# Allegro board PandaX_III_V3.brd (continued)
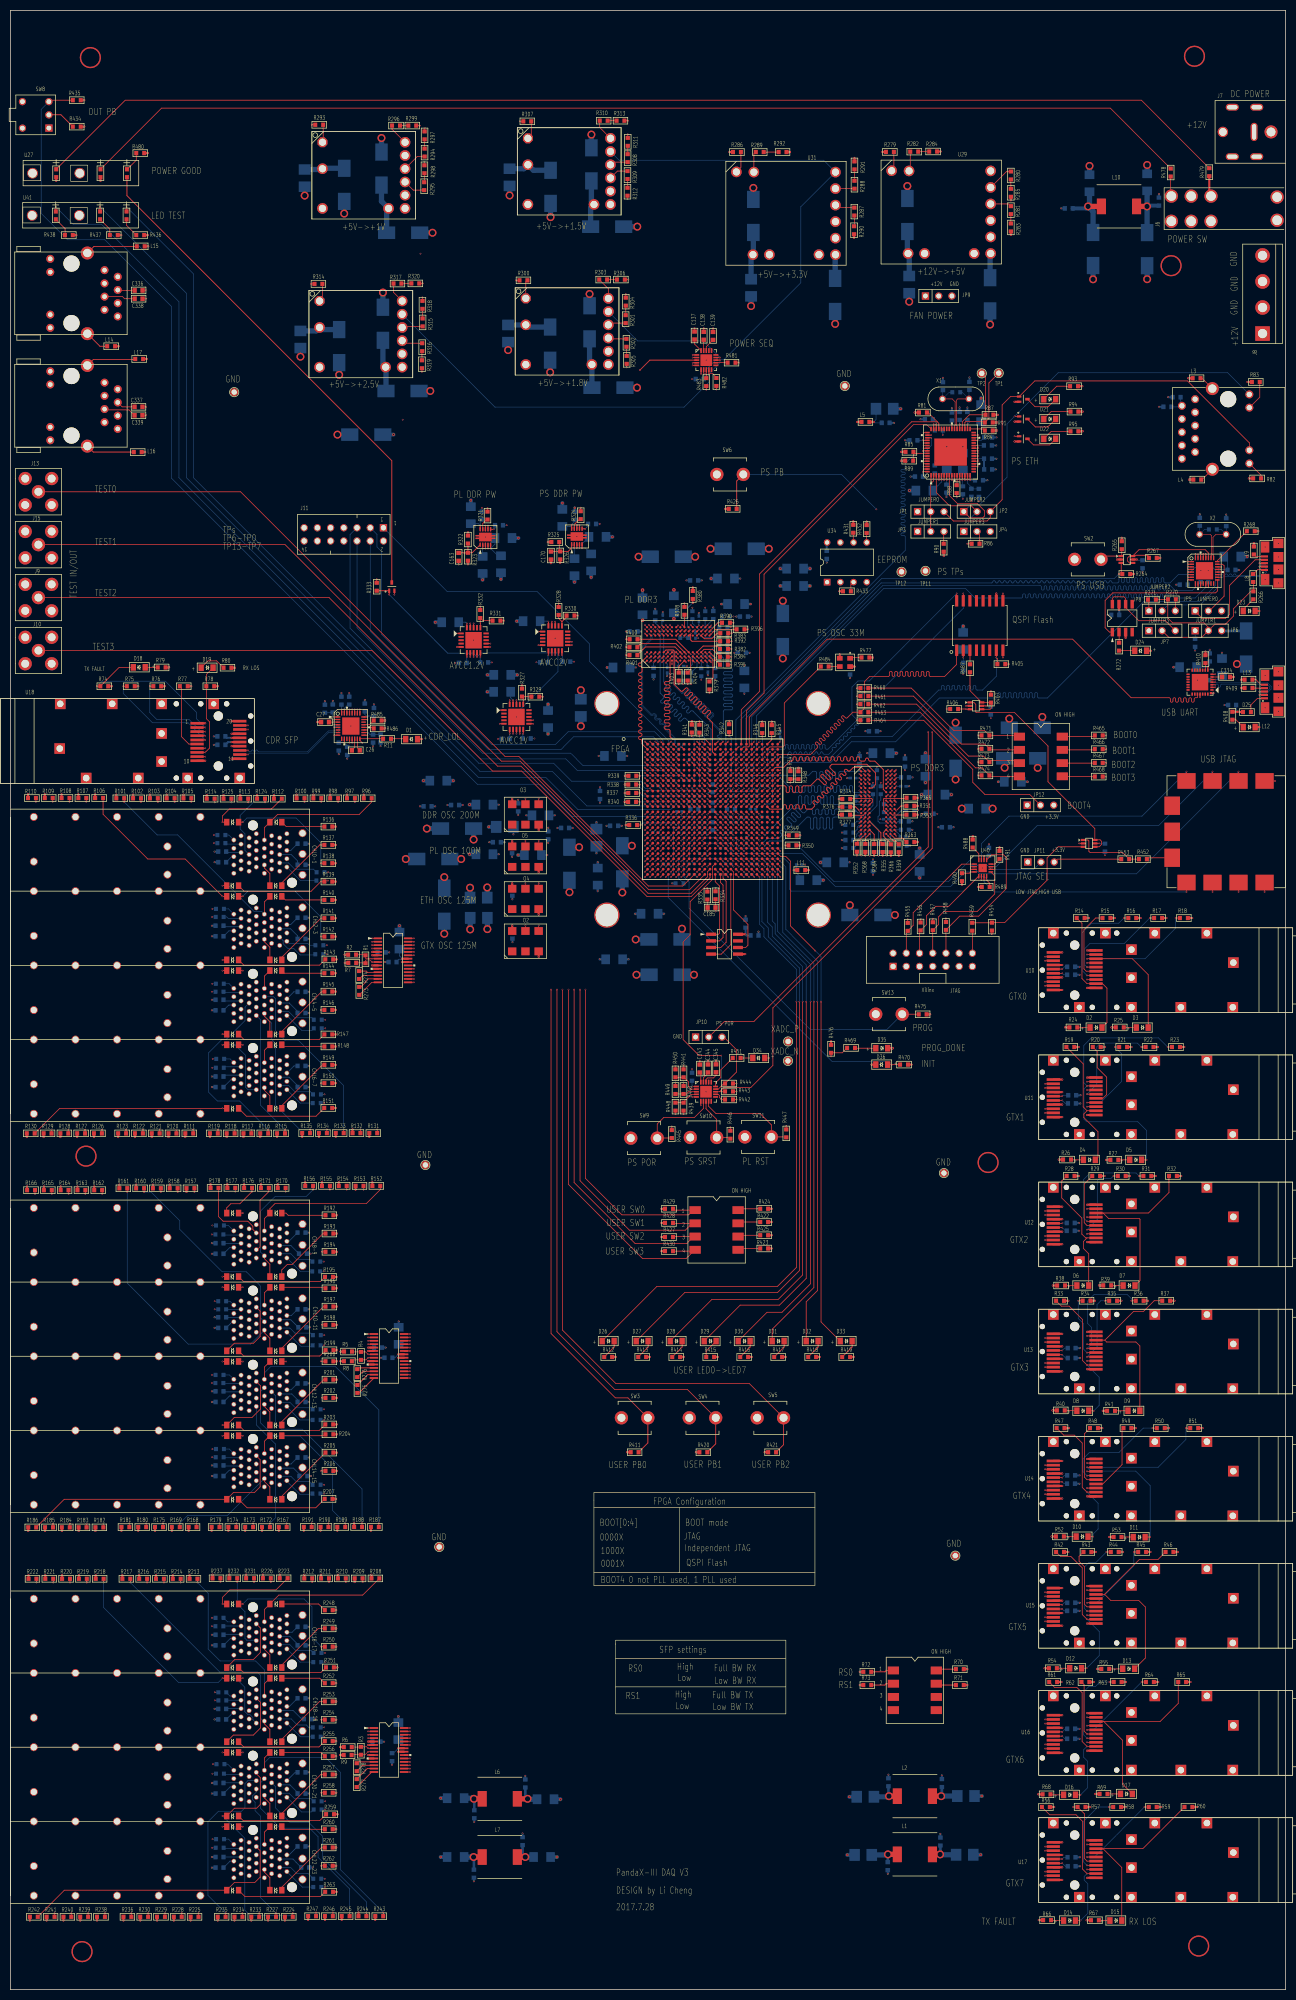
[diagram p0: board, top side]
## Routing (per net, layer and track width the routed paths; a pad name or vN(x,y) marks a point on that pad's centre or on a via; arc(x,y) is an arc through that point) (continued)
FLASH_DQ1: length 59.3
  TOP w0.102: U1.D25 v1(146.93,236.62)
  TOP w0.127: U37.8 v1(190.7,255.75) ; R461.2 v1(162.64,248.34)
  SIG1 w0.127: v1(190.7,255.75) 183.29,248.34 v1(162.64,248.34) 153.03,238.74 152.59,238.74 arc(152.41,238.81) 152.33,238.99 152.33,239.5 arc(152.08,239.75) 151.83,239.5 151.83,238.99 arc(151.57,238.74) 151.32,238.99 151.32,239.5 arc(151.06,239.75) 150.81,239.5 150.81,238.99 arc(150.56,238.74) 150.3,238.99 150.3,239.5 arc(150.05,239.75) 149.79,239.5 149.79,238.99 arc(149.72,238.81) 149.54,238.74 149.04,238.74 v1(146.93,236.62)
FLASH_DQ2: length 61.4
  TOP w0.102: U1.F24 v1(145.93,234.62)
  TOP w0.127: U37.9 v1(190.7,268.05) ; R462.2 v1(162.64,246.8)
  SIG2 w0.127: v1(190.7,268.05) 188.19,265.53 181.37,265.53 v1(162.64,246.8) 155.21,239.37 151.21,239.37 146.46,234.62 v1(145.93,234.62)
FLASH_DQ3: length 71.4
  TOP w0.127: U1.C26 153.73,237.12 155.05,238.44 arc(155.13,238.62) 155.05,238.8 154.74,239.11 arc(154.74,239.47) 155.1,239.47 155.41,239.16 arc(155.77,239.16) 155.77,239.52 155.46,239.83 arc(155.46,240.19) 155.82,240.19 156.13,239.88 arc(156.49,239.88) 156.49,240.24 156.18,240.55 arc(156.18,240.91) 156.53,240.91 156.85,240.6 arc(157.21,240.6) 157.21,240.96 156.89,241.27 arc(156.89,241.63) 157.25,241.63 157.57,241.32 arc(157.93,241.32) 157.93,241.67 157.61,241.99 arc(157.61,242.35) 157.97,242.35 158.29,242.03 arc(158.64,242.03) 158.64,242.39 158.33,242.71 arc(158.33,243.07) 158.69,243.07 159,242.75 arc(159.36,242.75) 159.36,243.11 159.05,243.43 arc(159.05,243.78) 159.41,243.78 159.72,243.47 arc(160.08,243.47) 160.08,243.83 159.77,244.14 arc(159.77,244.5) 160.13,244.5 160.44,244.19 arc(160.62,244.11) 160.8,244.19 161.87,245.26 R463.2 164.11,246.04 164.11,251.13 165.1,252.12 168.65,252.12 arc(168.83,252.2) 168.91,252.38 168.91,252.86 arc(169.16,253.11) 169.41,252.86 169.41,252.38 arc(169.67,252.12) 169.92,252.38 169.92,252.86 arc(170.18,253.11) 170.43,252.86 170.43,252.38 arc(170.68,252.12) 170.94,252.38 170.94,252.86 arc(171.19,253.11) 171.45,252.86 171.45,252.38 arc(171.7,252.12) 171.95,252.38 171.95,252.86 arc(172.21,253.11) 172.46,252.86 172.46,252.38 arc(172.72,252.12) 172.97,252.38 172.97,252.86 arc(173.22,253.11) 173.48,252.86 173.48,252.38 arc(173.73,252.12) 173.99,252.38 173.99,252.86 arc(174.24,253.11) 174.49,252.86 174.49,252.38 arc(174.75,252.12) 175,252.38 175,252.86 arc(175.26,253.11) 175.51,252.86 175.51,252.38 arc(175.76,252.12) 176.02,252.38 176.02,252.86 arc(176.27,253.11) 176.53,252.86 176.53,252.38 arc(176.6,252.2) 176.78,252.12 179.5,252.12 181.81,254.43 U37.1
FLASH_RST_B: length 56.1
  TOP w0.102: U1.E18 v1(139.93,235.62)
  TOP w0.127: R406.1 183.56,245.87 v1(183.61,245.82) U36.3
  SIG1 w0.127: 148.29,236.27 147.78,236.27 147.47,235.97 147.47,235.46 147.14,235.13 145.67,235.13 145.47,234.93 145.47,233.55 145.11,233.2 139.55,233.2 139.45,233.3 139.45,235.14 v1(139.93,235.62) ; v1(183.61,245.82) 182.11,244.32 165.3,244.32 163.45,242.47
  SIG1 w0.152: 163.45,242.47 159.28,238.3 150.32,238.3 148.29,236.27
FPGA_DONE: length 76.7
  TOP w0.102: U1.W9 v1(129.92,220.62)
  TOP w0.127: v1(157.68,179.17) R476.1 159.82,179.86 R469.2
  SIG1 w0.127: v1(129.92,220.62) 129.45,220.14 127.53,220.14 127.3,219.91 127.3,218.34 127.18,218.21 125.78,218.21 125.37,217.81 125.37,208.84 125.07,208.54 125.07,191.57 129.06,187.58 151.16,187.58 157.68,181.05 v1(157.68,179.17)
FPGA_INIT_B: length 76
  TOP w0.102: U1.R8 v1(128.92,224.62)
  TOP w0.127: D36.1 v1(169.37,177.6) R470.1
  BOTTOM w0.127: v1(128.92,224.62) 128.42,224.12 128.42,223.24 128.32,223.14 127.79,223.14 127.43,222.78 127.43,214.38 127.25,214.2 126.67,214.2 126.39,213.92 126.39,209.68 157.91,178.16 168.81,178.16 v1(169.37,177.6)
FPGA_PROG_B: length 70.3
  TOP w0.102: U1.V9 v1(129.92,221.62)
  TOP w0.127: R475.1 174.5,187.28 SW13.2
  BOTTOM w0.127: v1(129.92,221.62) 129.39,221.08 129.39,213.67 130.4,212.65 130.4,207.62 153.7,184.33 168.4,184.33 SW13.2
GTX_CLOCK_N: length 37.4
  TOP w0.102: O2.5 v1(98.96,204.31) ; U1.W5 v1(125.92,220.62)
  SIG1 w0.102: v1(98.96,204.31) 100.11,204.31 100.3,204.5 100.3,205.49 100.81,205.99 103.68,205.99 104.94,205.99 117.04,218.09 119.32,218.09 120.49,219.25 126.19,219.25 126.29,219.36 126.29,220.42 126.09,220.62 v1(125.92,220.62)
GTX_CLOCK_P: length 37.5
  TOP w0.102: O2.4 v1(101.5,204.31) ; U1.W6 v1(126.92,220.62)
  SIG1 w0.102: v1(126.92,220.62) 126.74,220.62 126.54,220.42 126.54,219.25 126.29,219 120.59,219 119.42,217.83 117.14,217.83 105.05,205.74 103.57,205.74 102.18,205.74 arc(102.05,205.68) 101.99,205.55 arc(101.94,205.42) 101.8,205.36 101.77,205.36 arc(101.64,205.42) 101.59,205.55 arc(101.53,205.68) 101.4,205.74 100.91,205.74 100.56,205.39 100.56,204.5 100.75,204.31 v1(101.5,204.31)
INPUT_POWER+12V: length 22.7
  TOP w1.016: L10.2 v3(207.06,342.37)
  BOTTOM w0.762: v3(207.06,342.37) 206.68,341.99 C135.1
  BOTTOM w1.016: C141.1 172.34,333.48 U29.2 172.69,333.13 C140.1 ; C134.1 207.34,342.65 v3(207.06,342.37) 208.03,341.4 C136.1
LINEAR_PG: length 61.7
  TOP w0.152: R333.2 72.77,268.58 Q4.2 v1(72.78,267.84) ; U22.9 v1(89.65,255.87) ; U20.9 v1(97.88,241.14) ; U21.9 v1(105.32,256.22)
  BOTTOM w0.127: v1(97.88,241.14) 97.88,245.71 105.21,253.04 105.21,256.11 v1(105.32,256.22) 104.9,256.64 90.43,256.64 v1(89.65,255.87)
  BOTTOM w0.152: v1(72.78,267.84) 84.02,256.59 88.93,256.59 v1(89.65,255.87)
MDI_N0: length 58.5
  TOP w0.127: U6.30 v1(185.98,297.95)
  SIG2 w0.102: v1(185.98,297.95) 186.28,297.95 186.4,298.07 187.79,298.07 188.37,298.65 191.72,298.65 arc(192.04,298.79) 192.18,299.11 192.18,299.42 arc(192.38,299.62) 192.58,299.42 192.58,299.11 arc(193.04,298.65) 193.5,299.11 193.5,299.42 arc(193.7,299.62) 193.9,299.42 193.9,299.11 arc(194.36,298.65) 194.82,299.11 194.82,299.42 arc(195.02,299.62) 195.22,299.42 195.22,299.11 arc(195.68,298.65) 196.14,299.11 196.14,299.42 arc(196.34,299.62) 196.54,299.42 196.54,299.11 arc(197,298.65) 197.46,299.11 197.46,299.42 arc(197.66,299.62) 197.87,299.42 197.87,299.11 arc(198.32,298.65) 198.78,299.11 198.78,299.42 arc(198.98,299.62) 199.19,299.42 199.19,299.11 arc(199.64,298.65) 200.1,299.11 200.1,299.42 arc(200.3,299.62) 200.51,299.42 200.51,299.11 arc(200.64,298.79) 200.96,298.65 204.16,298.65 210.56,292.25 226.93,292.25 227.18,292.5 227.18,294.06 226.93,294.31 226.82,294.31 226.72,294.41 226.72,295.1 226.82,295.2 J1.2
MDI_N1: length 57.8
  TOP w0.127: U6.25 v1(185.98,295.45)
  SIG3 w0.102: v1(185.98,295.45) 186.05,295.45 186.17,295.57 194.29,295.57 arc(194.61,295.71) 194.75,296.03 194.75,296.42 arc(194.95,296.62) 195.15,296.42 195.15,296.03 arc(195.61,295.57) 196.07,296.03 196.07,296.42 arc(196.27,296.62) 196.47,296.42 196.47,296.03 arc(196.93,295.57) 197.39,296.03 197.39,296.42 arc(197.59,296.62) 197.79,296.42 197.79,296.03 arc(198.25,295.57) 198.71,296.03 198.71,296.42 arc(198.91,296.62) 199.12,296.42 199.12,296.03 arc(199.57,295.57) 200.03,296.03 200.03,296.42 arc(200.23,296.62) 200.44,296.42 200.44,296.03 arc(200.89,295.57) 201.35,296.03 201.35,296.42 arc(201.55,296.62) 201.76,296.42 201.76,296.03 arc(202.21,295.57) 202.67,296.03 202.67,296.42 arc(202.87,296.62) 203.08,296.42 203.08,296.03 arc(203.21,295.71) 203.53,295.57 222.54,295.57 222.94,295.17 225.86,295.17 226.52,295.83 226.52,297.61 226.19,297.94 226.19,298.83 J1.6
MDI_N2: length 57.7
  TOP w0.127: U6.23 v1(185.98,294.45)
  SIG4 w0.102: J1.5 226.16,298.48 226.3,298.52 226.36,298.65 226.36,298.65 226.36,299.67 225.83,300.2 222.2,300.2 216.57,294.57 208.45,294.57 arc(208.13,294.71) 207.99,295.03 207.99,295.27 arc(207.94,295.4) 207.81,295.45 207.79,295.45 arc(207.64,295.39) 207.59,295.25 207.59,295.03 arc(207.13,294.57) 206.67,295.03 206.67,295.27 arc(206.62,295.4) 206.48,295.45 206.47,295.45 arc(206.32,295.39) 206.26,295.25 206.26,295.03 arc(205.81,294.57) 205.35,295.03 205.35,295.27 arc(205.3,295.4) 205.16,295.45 205.15,295.45 arc(205,295.39) 204.94,295.25 204.94,295.03 arc(204.49,294.57) 204.03,295.03 204.03,295.27 arc(203.97,295.4) 203.84,295.45 203.83,295.45 arc(203.68,295.39) 203.62,295.25 203.62,295.03 arc(203.17,294.57) 202.71,295.03 202.71,295.27 arc(202.65,295.4) 202.52,295.45 202.51,295.45 arc(202.36,295.39) 202.3,295.25 202.3,295.03 arc(201.84,294.57) 201.39,295.03 201.39,295.27 arc(201.33,295.4) 201.2,295.45 201.18,295.45 arc(201.04,295.39) 200.98,295.25 200.98,295.03 arc(200.52,294.57) 200.07,295.03 200.07,295.27 arc(200.01,295.4) 199.88,295.45 199.86,295.45 arc(199.72,295.39) 199.66,295.25 199.66,295.03 arc(199.2,294.57) 198.75,295.03 198.75,295.27 arc(198.69,295.4) 198.56,295.45 198.54,295.45 arc(198.4,295.39) 198.34,295.25 198.34,295.03 arc(197.88,294.57) 197.43,295.03 197.43,295.27 arc(197.37,295.4) 197.24,295.45 197.22,295.45 arc(197.08,295.39) 197.02,295.25 197.02,295.03 arc(196.89,294.71) 196.56,294.57 187.26,294.57 arc(187.11,294.51) 187.05,294.37 187.05,294.36 arc(186.85,294.16) 186.65,294.36 186.65,294.37 arc(186.59,294.51) 186.44,294.57 186.22,294.57 186.09,294.45 v1(185.98,294.45)
MDI_N3: length 57.4
  TOP w0.127: U6.19 v1(185.98,292.45)
  SIG4 w0.102: J1.8 227.51,302.82 227.23,302.54 227.23,302.08 227.51,301.8 229.42,301.8 230.25,300.97 230.25,294.05 228.76,292.56 187.19,292.56 arc(187.12,292.53) 187.09,292.46 arc(187.06,292.38) 186.99,292.36 186.79,292.36 arc(186.71,292.38) 186.68,292.46 arc(186.66,292.53) 186.58,292.56 186.16,292.56 186.05,292.45 v1(185.98,292.45)
MDI_P0: length 58.5
  TOP w0.127: U6.31 v1(185.98,298.45)
  SIG2 w0.102: v1(185.98,298.45) 186.28,298.45 186.4,298.33 186.63,298.33 arc(186.77,298.39) 186.83,298.53 186.83,298.73 arc(187.03,298.93) 187.24,298.73 187.24,298.53 arc(187.3,298.39) 187.44,298.33 187.68,298.33 188.26,298.91 191.72,298.91 arc(191.86,298.97) 191.92,299.11 191.92,299.42 arc(192.38,299.87) 192.84,299.42 192.84,299.11 arc(193.04,298.91) 193.24,299.11 193.24,299.42 arc(193.7,299.87) 194.16,299.42 194.16,299.11 arc(194.36,298.91) 194.56,299.11 194.56,299.42 arc(195.02,299.87) 195.48,299.42 195.48,299.11 arc(195.68,298.91) 195.88,299.11 195.88,299.42 arc(196.34,299.87) 196.8,299.42 196.8,299.11 arc(197,298.91) 197.21,299.11 197.21,299.42 arc(197.66,299.87) 198.12,299.42 198.12,299.11 arc(198.32,298.91) 198.53,299.11 198.53,299.42 arc(198.98,299.87) 199.44,299.42 199.44,299.11 arc(199.64,298.91) 199.85,299.11 199.85,299.42 arc(200.3,299.87) 200.76,299.42 200.76,299.11 arc(200.82,298.97) 200.96,298.91 204.27,298.91 210.67,292.51 226.82,292.51 226.92,292.61 226.92,293.96 226.82,294.06 225.22,294.06 J1.1
MDI_P1: length 57.9
  TOP w0.127: U6.26 v1(185.98,295.95)
  SIG3 w0.102: J1.3 225.09,296.85 225.94,297.69 226.08,297.69 226.26,297.51 226.26,295.94 225.75,295.43 223.04,295.43 222.64,295.83 203.53,295.83 arc(203.39,295.89) 203.33,296.03 203.33,296.42 arc(202.87,296.88) 202.42,296.42 202.42,296.03 arc(202.21,295.83) 202.01,296.03 202.01,296.42 arc(201.55,296.88) 201.1,296.42 201.1,296.03 arc(200.89,295.83) 200.69,296.03 200.69,296.42 arc(200.23,296.88) 199.78,296.42 199.78,296.03 arc(199.57,295.83) 199.37,296.03 199.37,296.42 arc(198.91,296.88) 198.45,296.42 198.45,296.03 arc(198.25,295.83) 198.05,296.03 198.05,296.42 arc(197.59,296.88) 197.13,296.42 197.13,296.03 arc(196.93,295.83) 196.73,296.03 196.73,296.42 arc(196.27,296.88) 195.81,296.42 195.81,296.03 arc(195.61,295.83) 195.41,296.03 195.41,296.42 arc(194.95,296.88) 194.49,296.42 194.49,296.03 arc(194.43,295.89) 194.29,295.83 188.13,295.83 arc(187.99,295.89) 187.93,296.03 187.93,296.29 arc(187.73,296.5) 187.53,296.29 187.53,296.03 arc(187.32,295.83) 187.12,296.03 187.12,296.29 arc(186.92,296.5) 186.71,296.29 186.71,296.03 arc(186.65,295.89) 186.51,295.83 186.17,295.83 186.04,295.95 v1(185.98,295.95)
MDI_P2: length 57.7
  TOP w0.127: U6.24 v1(185.98,294.95)
  SIG4 w0.102: v1(185.98,294.95) 186.08,294.95 186.2,294.83 196.56,294.83 arc(196.71,294.89) 196.76,295.03 196.76,295.25 arc(196.9,295.57) 197.22,295.71 197.24,295.71 arc(197.55,295.58) 197.68,295.27 197.68,295.03 arc(197.88,294.83) 198.09,295.03 198.09,295.25 arc(198.22,295.57) 198.54,295.71 198.56,295.71 arc(198.87,295.58) 199,295.27 199,295.03 arc(199.2,294.83) 199.41,295.03 199.41,295.25 arc(199.54,295.57) 199.86,295.71 199.88,295.71 arc(200.19,295.58) 200.32,295.27 200.32,295.03 arc(200.52,294.83) 200.73,295.03 200.73,295.25 arc(200.86,295.57) 201.18,295.71 201.2,295.71 arc(201.51,295.58) 201.64,295.27 201.64,295.03 arc(201.84,294.83) 202.05,295.03 202.05,295.25 arc(202.18,295.57) 202.51,295.71 202.52,295.71 arc(202.83,295.58) 202.96,295.27 202.96,295.03 arc(203.17,294.83) 203.37,295.03 203.37,295.25 arc(203.5,295.57) 203.83,295.71 203.84,295.71 arc(204.15,295.58) 204.28,295.27 204.28,295.03 arc(204.49,294.83) 204.69,295.03 204.69,295.25 arc(204.82,295.57) 205.15,295.71 205.16,295.71 arc(205.48,295.58) 205.6,295.27 205.6,295.03 arc(205.81,294.83) 206.01,295.03 206.01,295.25 arc(206.14,295.57) 206.47,295.71 206.48,295.71 arc(206.8,295.58) 206.92,295.27 206.92,295.03 arc(207.13,294.83) 207.33,295.03 207.33,295.25 arc(207.47,295.57) 207.79,295.71 207.81,295.71 arc(208.12,295.58) 208.25,295.27 208.25,295.03 arc(208.31,294.89) 208.45,294.83 216.47,294.83 222.1,300.46 225.93,300.46 226.62,299.77 226.62,298.55 226.57,298.5 226.52,298.41 226.57,298.27 J1.4
MDI_P3: length 57.4
  TOP w0.127: U6.20 v1(185.98,292.95)
  SIG4 w0.102: v1(185.98,292.95) 186.15,292.95 186.28,292.81 228.65,292.81 230,294.16 230,300.86 229.31,301.55 J1.7
OUT_LED0: length 188.9
  TOP w0.102: U1.N7 v1(127.92,227.62)
  TOP w0.127: U41.3 v1(8.72,342.27)
  BOTTOM w0.127: v1(8.72,342.27) 12.05,338.94 17.5,338.94 32.38,324.05 32.38,290.27 89.92,232.74 102.87,232.74 109.04,226.57 126.87,226.57 v1(127.92,227.62)
OUT_LED1: length 179.8
  TOP w0.102: U1.N6 v1(126.92,227.62)
  TOP w0.127: U41.5 v1(17.23,342.27)
  BOTTOM w0.127: v1(126.92,227.62) 126.92,227.53 126.64,227.25 110.77,227.25 104.11,233.91 90.2,233.91 33.83,290.27 33.83,325.67 v1(17.23,342.27)
OUT_LED2: length 171.7
  TOP w0.102: U1.K2 v1(122.92,230.62)
  TOP w0.127: U41.7 v1(22.31,342.27)
  BOTTOM w0.127: v1(22.31,342.27) 35.18,329.4 35.18,290.27 89.99,235.46 104.37,235.46 107.82,232 121.16,232 121.51,231.65 121.51,231.09 121.98,230.62 v1(122.92,230.62)
OUT_PB: length 226.8
  TOP w0.102: U1.AA10 v1(130.92,218.62)
  TOP w0.127: R435.2 7.67,362.76 SW8.3
  BOTTOM w0.127: v1(130.92,218.62) 131.37,219.06 131.37,224.82 130.99,225.2 107.98,225.2 101.75,231.42 89.71,231.42 30.94,290.2 30.94,323.17 18.14,335.97 10.97,335.97 5.92,341.02 5.92,361.01 SW8.3
PL_CLK_N: length 34.5
  TOP w0.102: U1.M5 v1(125.92,228.62) ; O5.5 v1(98.96,220.53)
  SIG1 w0.102: v1(125.92,228.62) 126.34,228.21 126.34,227.35 126.09,227.1 104.75,227.1 100.1,222.45 100.1,220.63 100,220.53 v1(98.96,220.53)
PL_CLK_P: length 34.4
  TOP w0.102: O5.4 v1(101.5,220.53) ; U1.M6 v1(126.92,228.62)
  SIG1 w0.102: v1(101.5,220.53) 100.46,220.53 100.36,220.63 100.36,222.35 104.85,226.85 126.19,226.85 126.59,227.25 126.59,228.28 126.64,228.33 126.64,228.35 v1(126.92,228.62)
PL_DDR3_ADDR0: length 43.6
  TOP w0.127: U43.N3 v1(132.26,256.43)
  TOP w0.152: U1.J15 v1(136.93,231.62) ; R382.1 135.8,257.95 133.11,257.95 U43.N3
  SIG1 w0.152: v1(132.26,256.43) 132.73,255.96 132.73,254.52 132.93,254.32 arc(133.02,254.11) 132.93,253.89 132.11,253.08 arc(132.11,252.65) 132.54,252.65 133.36,253.46 arc(133.57,253.55) 133.79,253.46 134.82,252.43 134.82,251.44 135.33,250.93 135.33,250.65 arc(135.24,250.43) 135.03,250.34 134.95,250.34 arc(134.65,250.04) 134.95,249.73 135.03,249.73 arc(135.24,249.64) 135.33,249.43 135.33,248.51 arc(135.24,248.3) 135.03,248.21 134.62,248.21 arc(134.32,247.91) 134.62,247.6 135.03,247.6 arc(135.33,247.3) 135.03,246.99 134.62,246.99 arc(134.32,246.69) 134.62,246.38 135.03,246.38 arc(135.33,246.08) 135.03,245.77 134.62,245.77 arc(134.32,245.47) 134.62,245.16 135.03,245.16 arc(135.33,244.86) 135.03,244.55 134.62,244.55 arc(134.32,244.25) 134.62,243.94 135.03,243.94 arc(135.24,243.85) 135.33,243.64 135.33,240.97 134.82,240.46 134.82,234.01 135.66,233.17 136.03,233.17 136.42,232.78 136.42,232.13 136.93,231.63 v1(136.93,231.62)
PL_DDR3_ADDR1: length 43.2
  TOP w0.127: U43.P7 v1(133.06,260.31)
  TOP w0.152: U43.P7 133.33,259.36 134.75,259.36 135.81,260.43 R383.1 ; U1.K15 v1(136.93,230.62)
  SIG1 w0.152: v1(133.06,260.31) 133.73,259.64 136.91,259.64 137.44,259.11 137.44,252.58 arc(137.51,252.4) 137.69,252.32 arc(137.87,252.25) 137.95,252.07 137.95,251.97 arc(137.87,251.79) 137.69,251.71 arc(137.51,251.64) 137.44,251.46 137.44,251.36 arc(137.51,251.18) 137.69,251.1 arc(137.87,251.03) 137.95,250.85 137.95,250.75 arc(137.87,250.57) 137.69,250.49 arc(137.51,250.42) 137.44,250.24 137.44,250.14 arc(137.51,249.96) 137.69,249.88 arc(137.87,249.81) 137.95,249.63 137.95,249.53 arc(137.87,249.35) 137.69,249.27 arc(137.51,249.2) 137.44,249.02 137.44,248.92 arc(137.51,248.74) 137.69,248.66 arc(137.87,248.59) 137.95,248.41 137.95,248.31 arc(137.87,248.13) 137.69,248.06 arc(137.51,247.98) 137.44,247.8 137.44,247.7 arc(137.51,247.52) 137.69,247.45 arc(137.87,247.37) 137.95,247.19 137.95,247.09 arc(137.87,246.91) 137.69,246.84 arc(137.51,246.76) 137.44,246.58 137.44,246.48 arc(137.51,246.3) 137.69,246.23 arc(137.87,246.15) 137.95,245.97 137.95,245.87 arc(137.87,245.69) 137.69,245.62 arc(137.51,245.54) 137.44,245.36 137.44,245.26 arc(137.51,245.08) 137.69,245.01 arc(137.87,244.93) 137.95,244.75 137.95,244.65 arc(137.87,244.47) 137.69,244.4 arc(137.51,244.32) 137.44,244.14 137.44,231.14 136.93,230.63 v1(136.93,230.62)
PL_DDR3_ADDR2: length 43.3
  TOP w0.127: U43.P3 v1(133.06,256.43)
  TOP w0.152: R384.1 136.32,255.93 134.92,257.33 133.28,257.33 U43.P3 ; U1.J13 v1(133.92,231.62)
  SIG4 w0.152: v1(133.06,256.43) 133.5,256.87 136.68,256.87 137.64,255.91 137.64,255.63 arc(137.55,255.41) 137.34,255.32 137.31,255.32 arc(137.01,255.02) 137.31,254.71 137.34,254.71 arc(137.64,254.41) 137.34,254.1 137.31,254.1 arc(137.01,253.8) 137.31,253.49 137.34,253.49 arc(137.64,253.19) 137.34,252.88 137.31,252.88 arc(137.01,252.58) 137.31,252.27 137.34,252.27 arc(137.64,251.97) 137.34,251.66 137.31,251.66 arc(137.01,251.36) 137.31,251.05 137.34,251.05 arc(137.64,250.75) 137.34,250.45 137.31,250.45 arc(137.01,250.14) 137.31,249.84 137.34,249.84 arc(137.64,249.53) 137.34,249.23 137.31,249.23 arc(137.01,248.92) 137.31,248.62 137.34,248.62 arc(137.64,248.31) 137.34,248.01 137.31,248.01 arc(137.01,247.7) 137.31,247.4 137.34,247.4 arc(137.64,247.09) 137.34,246.79 137.31,246.79 arc(137.01,246.48) 137.31,246.18 137.34,246.18 arc(137.64,245.87) 137.34,245.57 137.31,245.57 arc(137.01,245.26) 137.31,244.96 137.34,244.96 arc(137.55,244.87) 137.64,244.65 137.64,242.93 135.48,240.77 135.48,233.19 v1(133.92,231.62)
PL_DDR3_ADDR3: length 43.2
  TOP w0.127: U43.N2 v1(132.26,255.63)
  TOP w0.152: U1.K13 v1(133.92,230.62)
  SIG4 w0.152: v1(133.92,230.62) 133.92,230.62 133.45,231.09 133.45,240.24 arc(133.54,240.45) 133.76,240.54 133.93,240.54 arc(134.24,240.85) 133.93,241.15 133.76,241.15 arc(133.45,241.46) 133.76,241.76 133.93,241.76 arc(134.24,242.06) 133.93,242.37 133.76,242.37 arc(133.45,242.67) 133.76,242.98 133.93,242.98 arc(134.24,243.28) 133.93,243.59 133.76,243.59 arc(133.54,243.68) 133.45,243.89 133.45,244.37 132.02,245.81 132.02,246.8 arc(132.11,247.01) 132.32,247.1 133.4,247.1 arc(133.71,247.41) 133.4,247.71 132.32,247.71 arc(132.02,248.02) 132.32,248.32 133.4,248.32 arc(133.71,248.63) 133.4,248.93 132.32,248.93 arc(132.02,249.24) 132.32,249.54 133.4,249.54 arc(133.71,249.85) 133.4,250.15 132.32,250.15 arc(132.11,250.24) 132.02,250.46 132.02,255.39 v1(132.26,255.63)
  BOTTOM w0.152: R385.1 135.53,256.67 134.94,256.08 132.7,256.08 v1(132.26,255.63)
PL_DDR3_ADDR4: length 40.7
  TOP w0.127: U43.P8 v1(133.06,261.11)
  TOP w0.152: U1.H12 v1(132.92,232.62)
  SIG2 w0.152: v1(133.06,261.11) 132.7,261.47 128.15,261.47 127.51,260.82 127.51,241.02 129.49,239.04 129.49,237.06 130.43,236.12 132,236.12 132.49,235.64 132.49,233.05 132.91,232.62 v1(132.92,232.62)
  BOTTOM w0.152: R386.1 133.49,263.11 133.49,261.54 v1(133.06,261.11)
PL_DDR3_ADDR5: length 40.9
  TOP w0.127: U43.P2 v1(133.06,255.63)
  TOP w0.152: U1.H13 v1(133.92,232.62)
  SIG4 w0.152: v1(133.92,232.62) 134.98,233.68 134.98,242.61 arc(135.06,242.83) 135.28,242.92 135.89,242.92 arc(136.19,243.22) 135.89,243.53 135.28,243.53 arc(134.98,243.83) 135.28,244.14 135.89,244.14 arc(136.19,244.44) 135.89,244.75 135.28,244.75 arc(134.98,245.05) 135.28,245.36 135.89,245.36 arc(136.19,245.66) 135.89,245.96 135.28,245.96 arc(134.98,246.27) 135.28,246.57 135.89,246.57 arc(136.19,246.88) 135.89,247.18 135.28,247.18 arc(134.98,247.49) 135.28,247.79 135.89,247.79 arc(136.19,248.1) 135.89,248.4 135.28,248.4 arc(134.98,248.71) 135.28,249.01 135.89,249.01 arc(136.19,249.32) 135.89,249.62 135.28,249.62 arc(134.98,249.93) 135.28,250.23 135.89,250.23 arc(136.19,250.54) 135.89,250.84 135.28,250.84 arc(135.06,250.93) 134.98,251.15 134.98,252.81 133.45,254.33 133.45,255.24 v1(133.06,255.63)
  BOTTOM w0.152: v1(133.06,255.63) 132.74,255.31 R387.1
PL_DDR3_ADDR6: length 42.8
  TOP w0.127: U43.R8 v1(133.86,261.11)
  TOP w0.152: U1.F13 v1(133.92,234.62)
  SIG3 w0.152: v1(133.86,261.11) 134.26,260.71 135.48,260.71 136.3,259.89 136.3,259.53 arc(136.39,259.32) 136.6,259.23 arc(136.91,258.92) 136.6,258.62 arc(136.3,258.31) 136.6,258.01 arc(136.91,257.7) 136.6,257.4 arc(136.3,257.09) 136.6,256.79 arc(136.91,256.48) 136.6,256.18 arc(136.3,255.87) 136.6,255.57 arc(136.91,255.26) 136.6,254.96 arc(136.3,254.65) 136.6,254.35 arc(136.91,254.05) 136.6,253.74 arc(136.3,253.44) 136.6,253.13 arc(136.91,252.83) 136.6,252.52 arc(136.3,252.22) 136.6,251.91 arc(136.91,251.61) 136.6,251.3 arc(136.3,251) 136.6,250.69 arc(136.91,250.39) 136.6,250.08 arc(136.3,249.78) 136.6,249.47 arc(136.91,249.17) 136.6,248.86 arc(136.3,248.56) 136.6,248.25 arc(136.91,247.95) 136.6,247.64 arc(136.3,247.34) 136.6,247.03 arc(136.91,246.73) 136.6,246.43 arc(136.39,246.34) 136.3,246.12 136.3,237.16 135.56,236.42 135.56,235.15 135.03,234.62 v1(133.92,234.62)
  BOTTOM w0.152: R388.1 136.73,263.3 134.98,261.54 134.29,261.54 v1(133.86,261.11)
PL_DDR3_ADDR7: length 41.2
  TOP w0.127: U43.R2 v1(133.86,255.63)
  TOP w0.152: U1.G11 v1(131.92,233.62)
  SIG4 w0.152: v1(131.92,233.62) 132.41,234.11 132.41,239.78 132.82,240.18 132.82,244.2 131.39,245.62 131.39,246.52 arc(131.3,246.74) 131.09,246.83 130,246.83 arc(129.69,247.13) 130,247.44 131.09,247.44 arc(131.3,247.53) 131.39,247.74 131.39,248.97 arc(131.3,249.19) 131.09,249.28 128.19,249.28 arc(127.89,249.58) 128.19,249.89 131.09,249.89 arc(131.3,249.98) 131.39,250.19 131.39,251.88 arc(131.3,252.09) 131.09,252.18 130.61,252.18 arc(130.3,252.49) 130.61,252.79 131.09,252.79 arc(131.3,252.88) 131.39,253.1 131.39,254.23 131.04,254.59 131.04,255.83 131.24,256.03 133.46,256.03 v1(133.86,255.63)
  BOTTOM w0.152: R389.1 136.17,255.22 134.27,255.22 v1(133.86,255.63)
PL_DDR3_ADDR8: length 40.9
  TOP w0.127: U43.T8 v1(134.66,261.11)
  TOP w0.152: v1(134.66,261.11) 135.98,262.43 R390.1 ; U1.G12 v1(132.92,233.62)
  SIG3 w0.152: v1(132.92,233.62) 133.41,234.11 136.22,234.11 136.37,234.27 136.37,234.98 136.52,235.13 137.16,235.13 137.54,235.51 137.54,244.62 arc(137.59,244.74) 137.71,244.79 arc(137.82,244.84) 137.87,244.95 137.87,245.23 arc(137.82,245.35) 137.71,245.4 arc(137.59,245.45) 137.54,245.56 137.54,245.84 arc(137.59,245.96) 137.71,246.01 arc(137.82,246.06) 137.87,246.17 137.87,246.45 arc(137.82,246.57) 137.71,246.62 arc(137.59,246.66) 137.54,246.78 137.54,247.06 arc(137.59,247.18) 137.71,247.23 arc(137.82,247.27) 137.87,247.39 137.87,247.67 arc(137.82,247.79) 137.71,247.84 arc(137.59,247.88) 137.54,248 137.54,248.28 arc(137.59,248.4) 137.71,248.45 arc(137.82,248.49) 137.87,248.61 137.87,248.89 arc(137.82,249.01) 137.71,249.05 arc(137.59,249.1) 137.54,249.22 137.54,249.5 arc(137.59,249.62) 137.71,249.66 arc(137.82,249.71) 137.87,249.83 137.87,250.11 arc(137.82,250.23) 137.71,250.27 arc(137.59,250.32) 137.54,250.44 137.54,250.72 arc(137.59,250.84) 137.71,250.88 arc(137.82,250.93) 137.87,251.05 137.87,251.33 arc(137.82,251.44) 137.71,251.49 arc(137.59,251.54) 137.54,251.66 137.54,251.94 arc(137.59,252.05) 137.71,252.1 arc(137.82,252.15) 137.87,252.27 137.87,252.55 arc(137.82,252.66) 137.71,252.71 arc(137.59,252.76) 137.54,252.88 137.54,253.16 arc(137.59,253.27) 137.71,253.32 arc(137.82,253.37) 137.87,253.49 137.87,253.77 arc(137.82,253.88) 137.71,253.93 arc(137.59,253.98) 137.54,254.1 137.54,260.55 136.86,261.24 134.79,261.24 v1(134.66,261.11)
PL_DDR3_ADDR9: length 41.8
  TOP w0.127: U43.R3 v1(133.86,256.43)
  TOP w0.152: U1.D11 v1(131.92,236.62)
  SIG3 w0.152: v1(133.86,256.43) 133.48,256.05 133.48,254.18 132.31,253.01 arc(132.22,252.8) 132,252.71 131.52,252.71 arc(131.22,252.4) 131.52,252.1 132,252.1 arc(132.31,251.79) 132,251.49 131.52,251.49 arc(131.22,251.18) 131.52,250.88 132,250.88 arc(132.31,250.57) 132,250.27 131.52,250.27 arc(131.22,249.96) 131.52,249.66 132,249.66 arc(132.22,249.57) 132.31,249.35 132.31,248.99 arc(132.22,248.77) 132,248.68 130.61,248.68 arc(130.3,248.38) 130.61,248.07 132,248.07 arc(132.31,247.77) 132,247.46 130.61,247.46 arc(130.3,247.16) 130.61,246.85 132,246.85 arc(132.31,246.55) 132,246.24 130.61,246.24 arc(130.3,245.94) 130.61,245.63 132,245.63 arc(132.22,245.54) 132.31,245.33 132.31,244.68 133.48,243.51 133.48,237.36 133.17,237.06 132.36,237.06 v1(131.92,236.62)